# Altium PCB MOSAIC_RCB.PcbDoc (part 1 of 2)
Units mil, origin at the board's own origin, x right, y up, seen from the top; angles counter-clockwise.
Board outline 2644.72 x 1250.12 mil, 4 copper layers (Top Layer, Int1 (GND), Int2 (GND), Bottom Layer), stack 61.24 mil thick; 78 components, 55 nets, 485 pads, 481 vias.
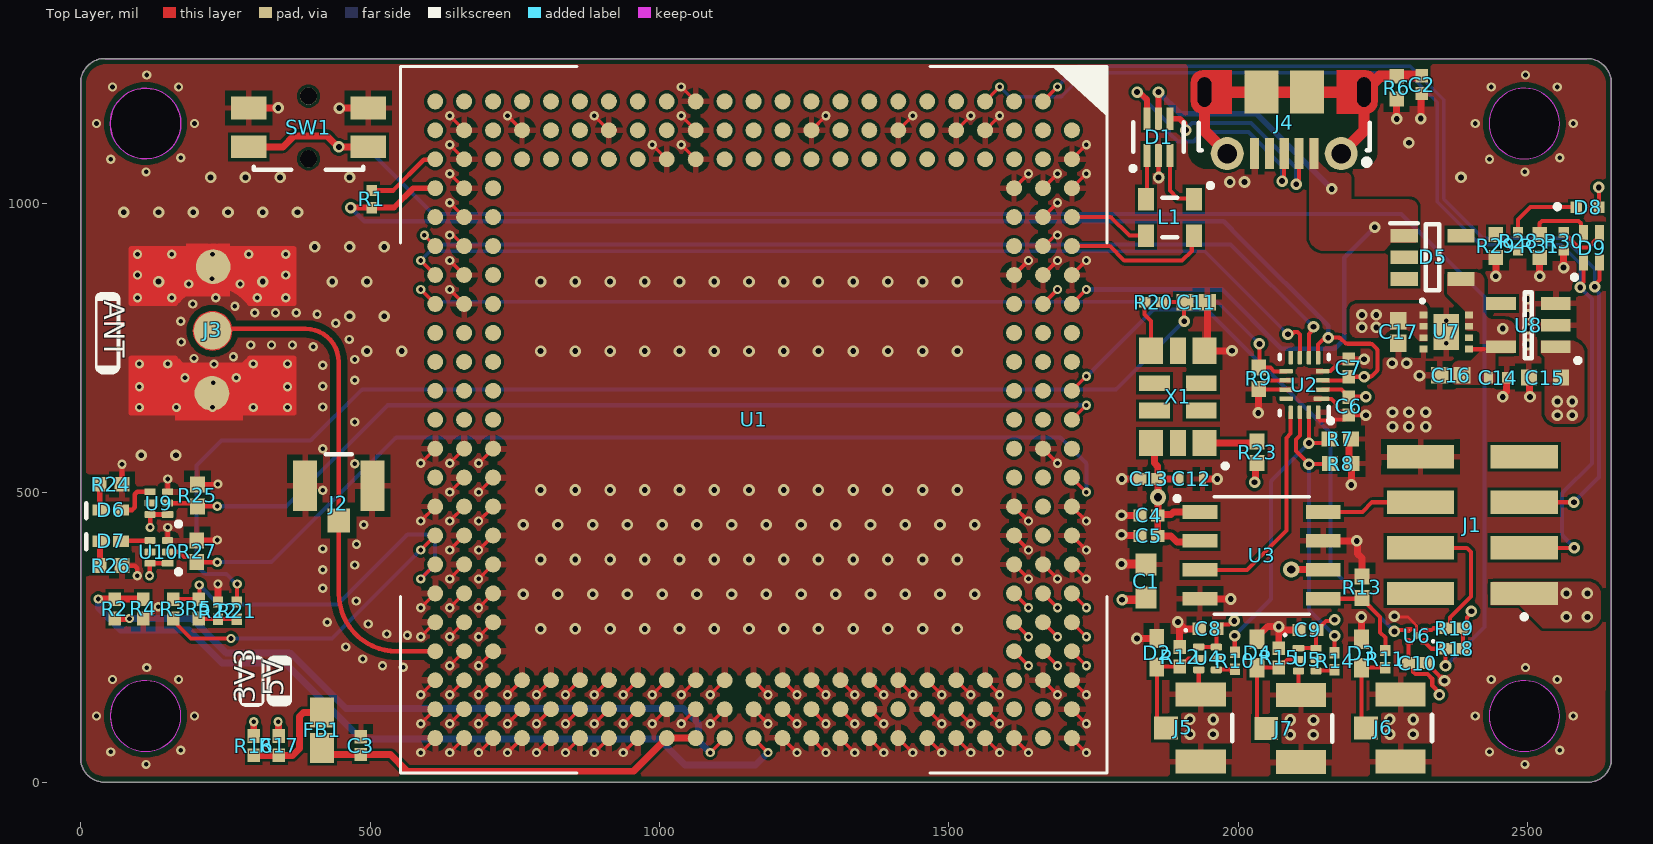
[diagram p0: Top Layer view]
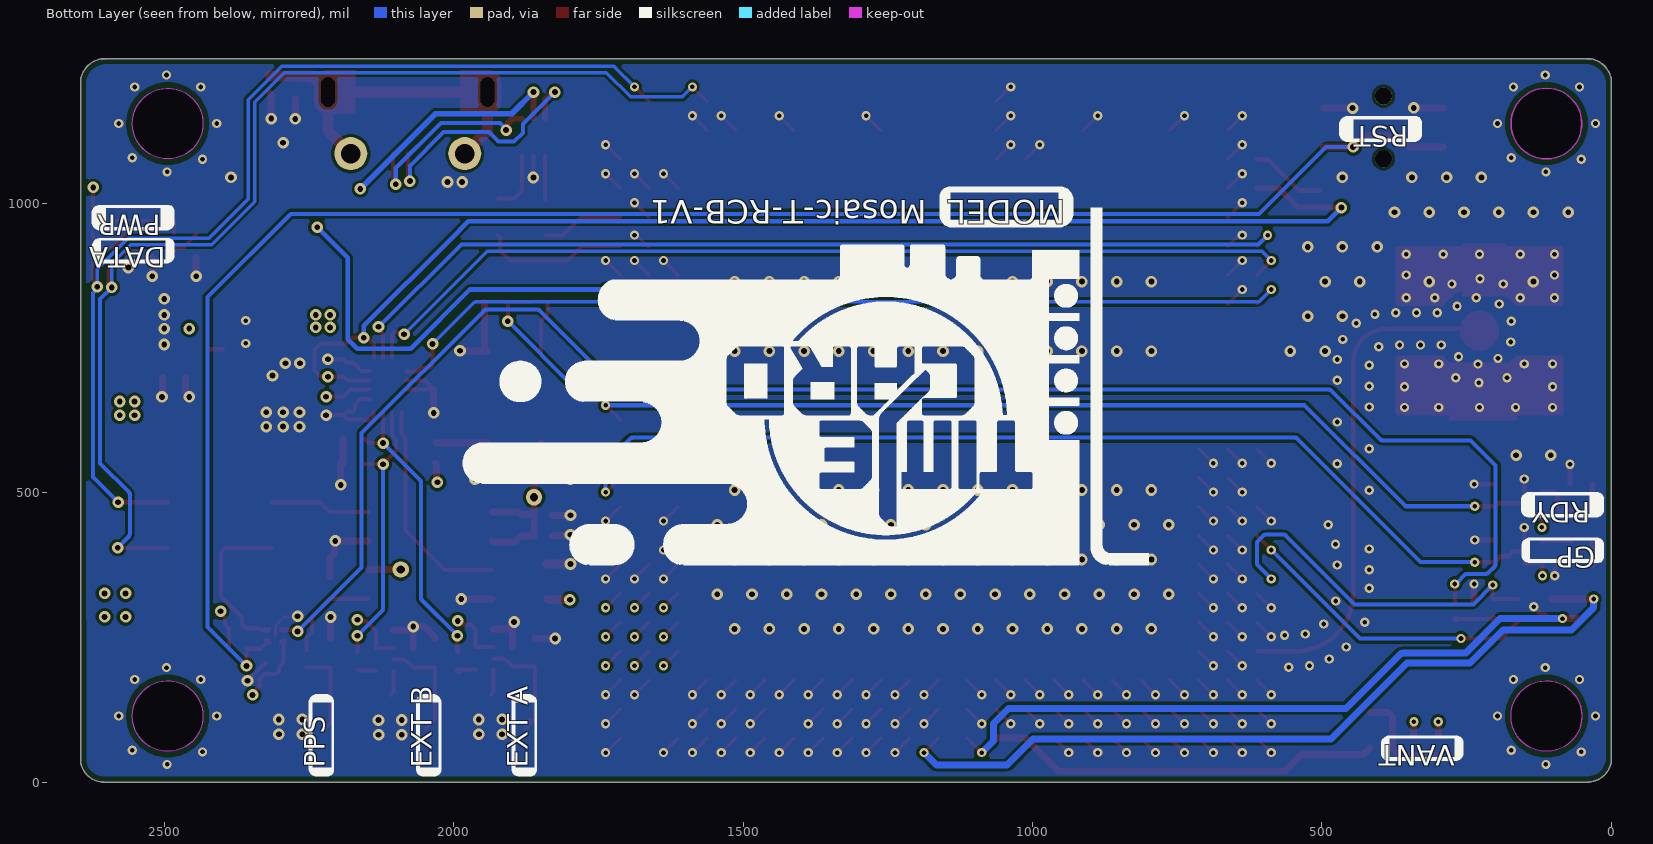
[diagram p1: Bottom Layer view, seen from below]
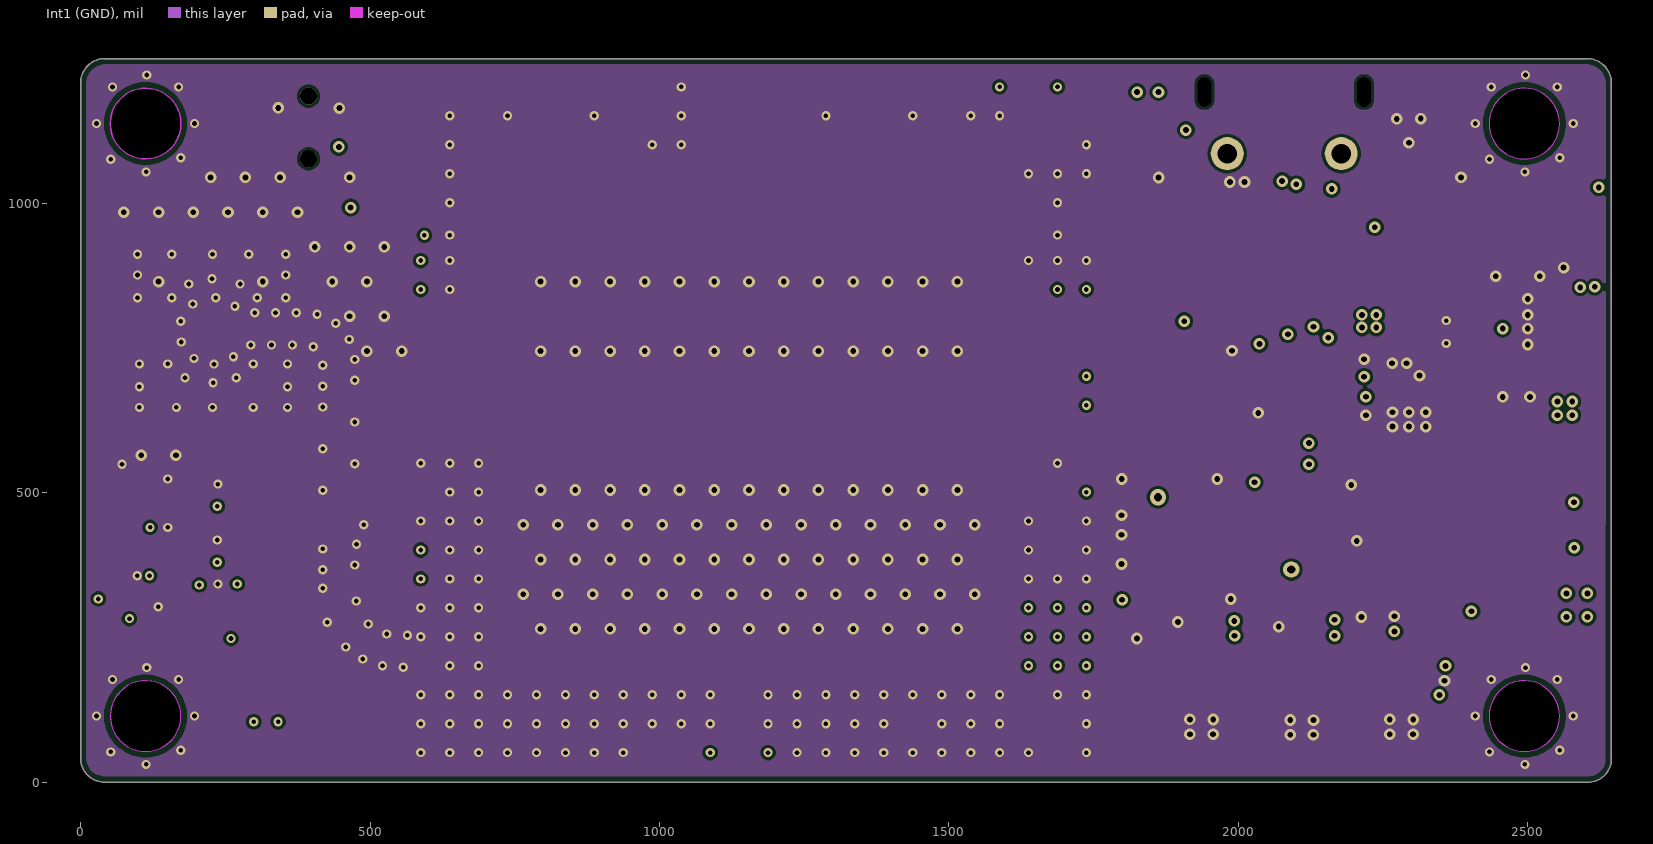
[diagram p2: Int1 (GND)]
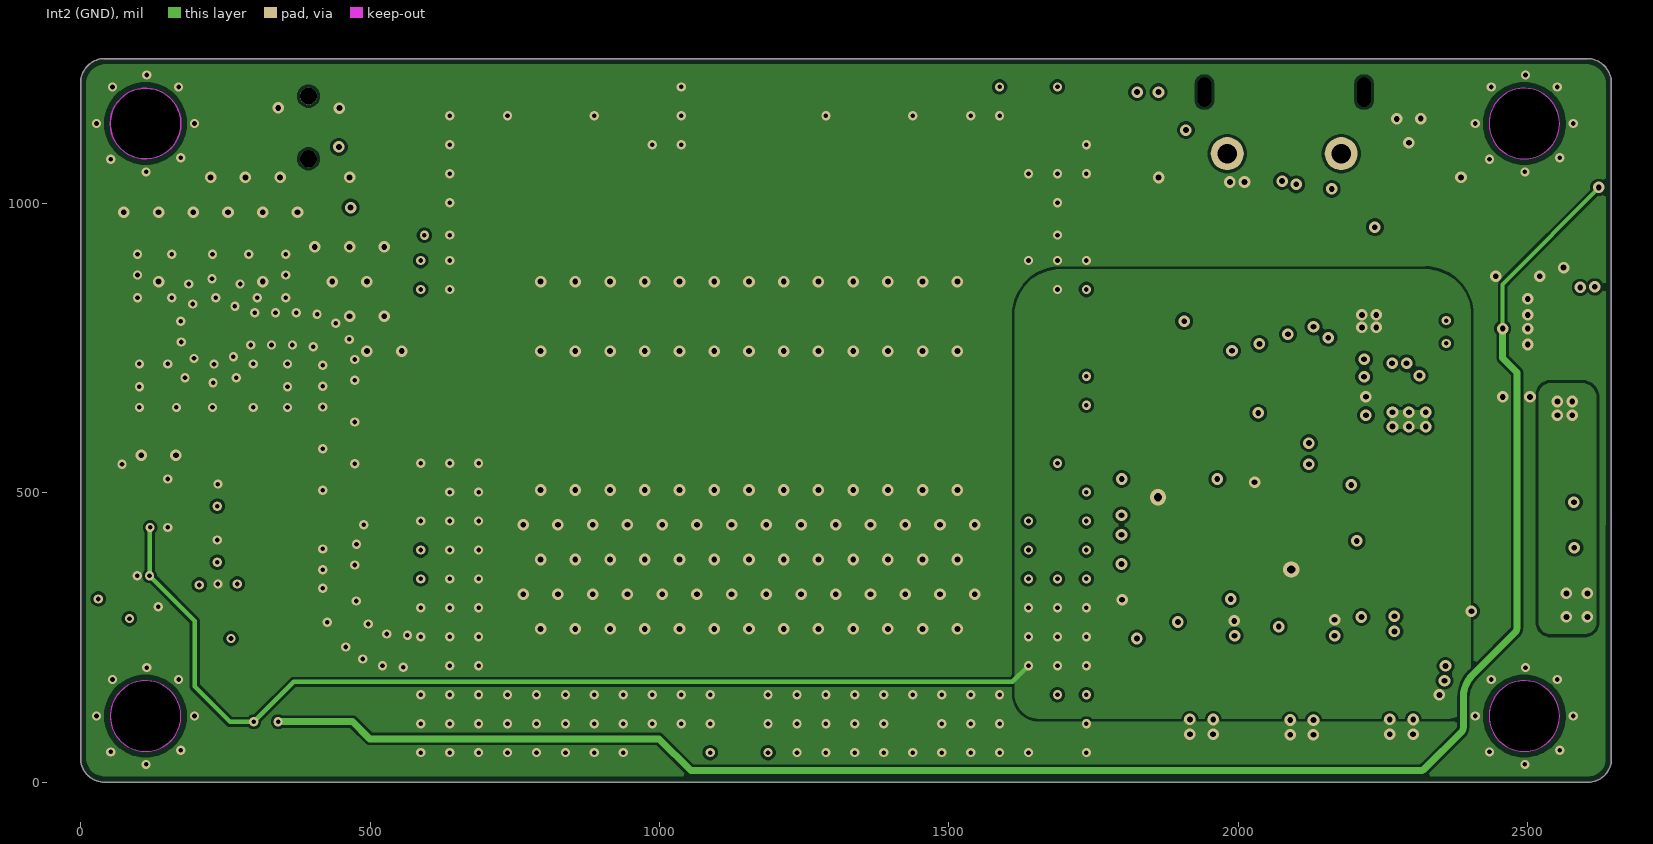
[diagram p3: Int2 (GND)]

## Layer stack, top to bottom
Top Solder: solder mask 0.6, SM-001, Dk 3.9
Top Layer: signal copper 1.8
Dielectric 2: prepreg 4.12, PP-021, Dk 3.7
Int1 (GND): signal copper 1.2
Dielectric 3: core 47, Core-039, Dk 4.04
Int2 (GND): signal copper 1.2
Dielectric 4: prepreg 4.12, PP-021, Dk 3.7
Bottom Layer: signal copper 1.8
Bottom Solder: solder mask 0.6, SM-001, Dk 3.9

## Board outline
0,41.14 ccw(c41.14,41.14) 41.14,0 2604.45,-0.16 ccw(c2604.41,39.96) 2644.53,39.96 2644.65,1207.48 ccw(c2602.13,1207.44) 2602.13,1249.96 42.05,1249.88 ccw(c42.09,1207.72) -0.08,1207.72
cut-out: 112.24,1076.61 cw(c112.24,1137.64) 51.22,1137.64 cw(c112.24,1137.64) 112.24,1198.66 cw(c112.24,1137.64) 173.27,1137.64 cw(c112.24,1137.64)
cut-out: 2433.11,1137.64 ccw(c2494.13,1137.64) 2494.13,1076.61 ccw(c2494.13,1137.64) 2555.16,1137.64 ccw(c2494.13,1137.64) 2494.13,1198.66 ccw(c2494.13,1137.64)
cut-out: 2433.11,114.02 ccw(c2494.13,114.02) 2494.13,52.99 ccw(c2494.13,114.02) 2555.16,114.02 ccw(c2494.13,114.02) 2494.13,175.04 ccw(c2494.13,114.02)
cut-out: 51.22,114.02 ccw(c112.24,114.02) 112.24,52.99 ccw(c112.24,114.02) 173.27,114.02 ccw(c112.24,114.02) 112.24,175.04 ccw(c112.24,114.02)

## Design rules (kind name [scope] priority, off if disabled: settings)
BoardOutlineClearance [All] p1: gap=10 ignorepadtopadclearanceinfootprint=FALSE except(0: Arc-SplitContinuation Track-SplitContinuation SMDPad-SplitContinuation THPad-SplitContinuation Via-SplitContinuation Fill-SplitContinuation Poly-SplitContinuation Region-SplitContinuation Text-SplitContinuation)
Clearance Clearance_RF [InNetClass('RF') vs InPolygon] p1: gap=11 ignorepadtopadclearanceinfootprint=FALSE
Clearance "Stitching GND" [IsStitchingVia and InNet('GND') vs (IsVia and (Not IsStitchingVia)) Or IsPad] p2: gap=5 ignorepadtopadclearanceinfootprint=FALSE
Clearance [All] p3: gap=5 ignorepadtopadclearanceinfootprint=FALSE
HoleSize [All] p1: absolutevalues=TRUE maxlimit=250 minlimit=8 maxpercent=80.000 minpercent=20.000
HoleToHoleClearance [All] p1: gap=6 allowstackedmicrovias=TRUE
MinimumSolderMaskSliver [All] p1: minsoldermaskwidth=6
PolygonConnect "RF_ANT Shielding Via" [IsShieldingVia and InNet('GND')] p1: connectstyle=Direct reliefconductorwidth=10 reliefentries=4 polygonreliefangle="90 Angle" airgapwidth=10
PolygonConnect "Via stiching" [IsStitchingVia and InNet('GND')] p2: connectstyle=Direct reliefconductorwidth=10 reliefentries=4 polygonreliefangle="90 Angle" airgapwidth=10
PolygonConnect [All vs InNet('GND')] p3: thpad.connectstyle=Direct thpad.reliefconductorwidth=10 thpad.reliefentries=4 thpad.polygonreliefangle="90 Angle" thpad.airgapwidth=10 smdpad.connectstyle=Relief smdpad.reliefconductorwidth=10 smdpad.reliefentries=4 smdpad.polygonreliefangle="90 Angle" smdpad.airgapwidth=10 via.connectstyle=Direct via.reliefconductorwidth=10 via.reliefentries=4 via.polygonreliefangle="90 Angle" via.airgapwidth=10
PolygonConnect PolygonConnect_Pours [All vs Not InNet('GND')] p4: connectstyle=Direct reliefconductorwidth=10 reliefentries=4 polygonreliefangle="90 Angle" airgapwidth=10
RoutingVias [All] p1: holewidth=8 width=16 viastyle="Through Hole" minholewidth=8 minwidth=16 maxholewidth=28 maxwidth=50
SilkToSolderMaskClearance [IsPad] p1: minsilkscreentomaskgap=6 clearancetoexposedcopper=TRUE
SolderMaskExpansion [IsVia] p1: expansion=2 istentingtop=TRUE
Width [All] p1: maxlimit=20 minlimit=5 preferedwidth=6
26 further rules are at their usual default settings.

## Classes and differential pairs
component class POWER: C14 C15 C16 C17 D5 D8 R28 R29 U7 U8
component class GNSS_SUPPORT: C10 C11 C12 C13 D6 D7 D9 R18 R19 R20 R21 R22 R23 R24 R25 R26 R27 R30 R31 SW1 U6 U9 U10 X1
net class RF: GNSS_ANT
component class REF_TIMING: C4 C5 C6 C7 C8 C9 D2 D3 D4 J5 J6 J7 R7 R8 R9 R10 R11 R12 R13 R14 R15 U2 U3 U4 U5
component class CONNECTORS: C2 D1 J1 J4 L1 R6
component class GNSS_A: C1 C3 FB1 J2 J3 R1 R2 R3 R4 R5 R16 R17 U1

## Components (designator, comment, footprint, x,y, rotation, side; value= is the part's Value field where it differs from the comment)
C1 "22uF" FP-CL10-IPC_B 1840.55,347.36 r90 top
C2 "0.1uF" CAPC1005X56X25LL10T15 2316.93,1204.72 r90 top
C3 "0.1uF" CAPC1005X56X25LL10T15 484.25,62.99 r270 top
C4 "0.1uF" CAPC1005X56X25LL10T15 1845.47,460.63 r180 top
C5 "0.1uF" CAPC1005X56X25LL10T15 1845.47,425.2 r180 top
C6 "0.1uF" CAPC1005X56X25LL10T15 2190.94,649.61 r90 top
C7 "0.1uF" CAPC1005X56X25LL10T15 2190.94,715.55 r270 top
C8 "0.1uF" CAPC1005X56X25LL10T15 1947.83,264.76 r0 top
C9 "0.1uF" CAPC1005X56X25LL10T15 2120.08,262.8 r0 top
C10 "0.1uF" CAPC1005X56X25LL10T15 2309.45,205.71 r180 top
C11 "33pF" CAPC1005X55X25ML05T10 1927.17,828.74 r180 top
C12 "10uF" CAPC1005X70X10LL05 1918.35,523.62 r180 top
C13 "0.1uF" CAPC1005X56X25LL10T15 1845.47,523.62 r0 top
C14 "4.7uF" FP-C1005-050-0_15-MFG 2447.83,698.82 r0 top
C15 "10uF" FP-0603-L_1_6_0_2-W_0_8_0-MFG 2529.53,698.82 r180 top
C16 "1uF" CAPC1005X55X25ML05T10 2367.13,702.76 r0 top
C17 "1uF" CAPC1005X55X25ML05T10 2276.57,777.56 r90 top
D1 "USBLC6-2P6" FP-SOT-666-MFG 1862.2,1114.17 r90 top
D2 "PESD0402-140" FP-PESD0402-MFG 1859.25,223.43 r270 top value=0.25pF
D3 "PESD0402-140" FP-PESD0402-MFG 2212.6,222.44 r270 top value=0.25pF
D4 "PESD0402-140" FP-PESD0402-MFG 2032.48,222.44 r270 top value=0.25pF
D5 "RB496EATR" SOT95P280X100-5N 2335.63,906.5 r0 top
D6 "APHHS1005CGCK" FP-APHHS1005CGCK-MFG 51.77,470.09 r0 top
D7 "APHHS1005CGCK" FP-APHHS1005CGCK-MFG 52.06,416.34 r0 top
D8 "QBLP595-IB" FP-QBLP595-IB-MFG 2603.35,993.11 r0 top
D9 "HSMF-C165" FP-HSMF-C165-MFG 2610.24,923.23 r90 top
FB1 "BLM18AG221SN1D" FP-BLM18-0_15-t0_8-IPC_A 417.32,89.57 r270 top
J1 "NRPN042MAMS-RC" NRPN042MAMS-RC 2493.9,325.98 r180 top
J2 "U.FL-R-SMT-1(10)" FP-U_FL-R-SMT-1_10-MFG 446,512 r180 top
J3 "SMB_131-3711-301" SMB_131-3711-301 227.95,779.53 r270 top
J4 "105017-0001" USB-MICRO-B_V 2079.37,1138.85 r180 top
J5 "U.FL-R-SMT-1(10)" FP-U_FL-R-SMT-1_10-MFG 1935.04,93.5 r90 top
J6 "U.FL-R-SMT-1(10)" FP-U_FL-R-SMT-1_10-MFG 2280.51,93.5 r90 top
J7 "U.FL-R-SMT-1(10)" FP-U_FL-R-SMT-1_10-MFG 2108.27,92.52 r90 top
L1 "DLP31SN121ML2L" FP-DLP31SN-MFG 1881.89,975.39 r270 top
R1 "10K" RESC1005X40X25LL05T10 502.95,1007.28 r270 top
R2 "DNP" RESC1005X40X25NL05T10 59.06,299.21 r90 top
R3 "DNP" RESC1005X40X25NL05T10 160.43,299.21 r90 top
R4 "0R" RESC1005X40X25NL05T10 108.27,299.21 r270 top
R5 "0R" RESC1005X40X25NL05T10 203.74,299.21 r270 top
R6 "330R" RESC1005X40X25ML05T05 2273.62,1199.8 r90 top
R7 "10K" RESC1005X40X25ML05T10 2176.18,592.52 r180 top
R8 "10K" RESC1005X40X25ML05T10 2177.17,550.2 r180 top
R9 "10K" RESC1005X40X25ML05T10 2035.43,697.83 r90 top
R10 "33R" RESC1005X40X25LL05T10 1994.09,209.65 r90 top
R11 "33R" RESC1005X40X25LL05T10 2253.94,212.6 r90 top
R12 "100K" RESC1005X40X25NL05T10 1898.62,216.54 r270 top
R13 "10K" RESC1005X40X25ML05T10 2213.58,336.61 r270 top
R14 "33R" RESC1005X40X25LL05T10 2166.34,208.66 r90 top
R15 "100K" RESC1005X40X25NL05T10 2069.88,214.57 r270 top
R16 "DNP" RESC1005X40X25NL05T10 299.21,62.99 r270 top
R17 "0R" RESC1005X40X25NL05T10 342.52,62.99 r270 top
R18 "68K" RESC1005X40X25LL10T10 2373.03,230.32 r0 top
R19 "68K" RESC1005X40X25LL10T10 2373.03,265.75 r0 top
R20 "33R" RESC1005X40X25LL05T10 1853.03,829.15 r0 top
R21 "1K" RESC1005X40X25LL05T10 269.68,296.26 r270 top
R22 "1K" RESC1005X40X25LL05T10 237.2,296.26 r270 top
R23 "10K" RESC1005X40X25ML05T10 2032.48,569.88 r270 top
R24 "60.4R" RESC1005X40X25ML05T05 51.77,514.38 r180 top
R25 "10K" RESC1005X40X25ML05T10 201.75,495.14 r270 top
R26 "60.4R" RESC1005X40X25ML05T05 52.06,374.02 r180 top
R27 "10K" RESC1005X40X25ML05T10 200.79,398.62 r270 top
R28 "100R" RESC1005X40X25LL05T05 2483.27,934.06 r90 top
R29 "60.4R" RESC1005X40X25ML05T05 2444.88,926.18 r270 top
R30 "100R" RESC1005X40X25LL05T05 2562.07,933.98 r90 top
R31 "60.4R" RESC1005X40X25ML05T05 2520.67,926.18 r270 top
SW1 "EVQ-PUC02K" FP-EVQ-PUC02K-MFG 393.7,1130.91 r180 top
U1 "410322" LGA239C127P23X23_3100X3100X417N 1162.6,625.98 r0 top
U2 "SN74AVC4T245RSVR" RSV0016A_V 2114.17,686.02 r180 top
U3 "NB3M8302CDG" SOIC8_ONS 2040.35,391.73 r0 top
U4 "SN74LVC1G126DRYR" DRY0006A_V 1946.85,213.58 r0 top
U5 "SN74LVC1G126DRYR" DRY0006A_V 2119.09,211.61 r0 top
U6 "74AUP1T08GXH" X2SON5_SOT1226_NEX 2308.07,252.95 r180 top
U7 "ADP124ACPZ-3.3-R7" ADI-CP-8-8_V 2359.25,777.56 r0 top
U8 "LTC4411ES5#TRMPBF" LT-S5-5-TSOT-23_N 2500.98,789.37 r180 top
U9 "SN74LVC1G126DRYR" DRY0006A_V 135.24,481.9 r180 top
U10 "SN74LVC1G126DRYR" DRY0006A_V 135.24,397.64 r180 top
X1 "SIT5358" SIT5358 1895.67,665.35 r90 top

## Footprints (in the part's own frame and the unit in brackets; to place one, negate y for a bottom-side part, rotate by r counter-clockwise, add the part's x,y. Pads: shape width x height; smd on the part's side, far side on the other; paste and mask are expansions set on the pad)
ADI-CP-8-8_V [mm] "SON, 8-Leads, Body 2x2mm, Pitch 0.5mm, Thermal Pad 1.6x1mm"
  rect 0.35x0.3 smd: 1(-1,0.75) 2(-1,0.25) 3(-1,-0.25) 4(-1,-0.75) 5(1,-0.75) 6(1,-0.25) 7(1,0.25) 8(1,0.75)
  rect 1.1x1.6 smd: 9(0,0)
  silkscreen extent -1.08,1.33 -1.02,1.39, body extent -1,-1 1,1, height 0.65
CAPC1005X55X25ML05T10 [mm] "Chip Capacitor, 2-Leads, Body 1.00x0.50mm, IPC Low Density"
  rect 0.76x0.72 smd: 1(-0.49,0) 2(0.49,0)
  body extent -0.53,-0.28 0.53,0.27, height 0.55
CAPC1005X56X25LL10T15 [mm] "Chip Capacitor, 2-Leads, Body 1.00x0.50mm, IPC High Density"
  rect 0.58x0.54 smd: 1(-0.39,0) 2(0.39,0)
  body extent -0.55,-0.3 0.55,0.3, height 0.56
CAPC1005X70X10LL05 [mm] "Chip Capacitor, 2-Leads, Body 1.05x0.55mm, IPC High Density"
  rect 0.32x0.52 smd: 1(-0.5,0) 2(0.5,0)
  body extent -0.53,-0.28 0.53,0.28, height 0.7
DRY0006A_V [mm] "SON, 6-Leads, Body 1.45x1mm, Pitch 0.5mm"
  rrect33% 0.52x0.3 smd paste+0 mask+0.102: 1(-0.385,0.5)
  rrect33% 0.49x0.3 smd paste+0 mask+0.102: 2(-0.385,0) 3(-0.385,-0.5) 4(0.385,-0.5) 5(0.385,0) 6(0.385,0.5)
  silkscreen extent -1,1.19 -0.9,1.28, body extent -0.5,-0.72 0.5,0.72, height 0.6
FP-0603-L_1_6_0_2-W_0_8_0-MFG [mm]
  rect 0.7x0.7 smd paste+0 mask+0: 1(-0.7,0) 2(0.7,0)
  body extent -1.15,-0.6 1.15,0.6, height 0.25
FP-APHHS1005CGCK-MFG [mm]
  rect 0.7x0.5 smd paste+0 mask+0: 1(-0.45,0) 2(0.45,0)
  body extent -0.9,-0.4 0.9,0.4, height 0.25
FP-BLM18-0_15-t0_8-IPC_A [mil]
  rect 51.42x41.66 smd paste+0 mask+0: 1(-30.55,0) 2(30.55,0)
  body extent -76,-41 76,41, height 10
FP-C1005-050-0_15-MFG [mm]
  rect 0.4x0.5 smd paste+0 mask+0: 1(-0.4,0) 2(0.4,0)
  body extent -0.7,-0.43 0.7,0.43, height 0.25
FP-CL10-IPC_B [mil]
  rect 37.72x35.91 smd paste+0 mask+0: 1(-28.62,0) 2(28.62,0)
  body extent -57,-28 57,28, height 10
FP-DLP31SN-MFG [mm]
  rect 1x0.7 smd paste+0 mask+0: 1(-0.8,1.05) 2(0.8,1.05) 3(0.8,-1.05) 4(-0.8,-1.05)
  silkscreen extent -1.48,-0.33 0.87,1.85, body extent -1.4,-1.78 1.4,1.78, height 0.25
FP-EVQ-PUC02K-MFG [mm]
  rect 1.55x1 smd paste+0 mask+0: 1(2.625,0.85) 2(2.625,-0.85) 3(-2.625,0.85) 4(-2.625,-0.85)
  round 0.75 hole 0.75 unplated paste-1000 mask+0: ""(0,1.375) ""(0,-1.375)
  silkscreen extent -2.4,1.73 2.4,1.85, body extent -3.5,-2.95 3.5,1.95, height 0.25
FP-HSMF-C165-MFG [mm]
  rect 0.7x0.4 smd paste+0 mask+0: 1(-0.65,0.35) 2(-0.65,-0.35) 3(0.65,0.35) 4(0.65,-0.35)
  silkscreen extent -1.38,0.67 -1.22,0.83, body extent -1.1,-0.65 1.1,0.65, height 0.25
FP-PESD0402-MFG [mm]
  rect 0.85x0.65 smd paste+0 mask+0: 1(-0.625,0) 2(0.625,0)
  body extent -1.15,-0.43 1.15,0.43, height 0.25
FP-QBLP595-IB-MFG [mm]
  rect 0.5x0.5 smd paste+0 mask+0: 1(-0.5,0) 2(0.5,0)
  silkscreen extent -1.4,-0.05 -1.25,0.1, body extent -0.85,-0.4 0.85,0.4, height 0.25
FP-SOT-666-MFG [mm]
  rect 0.99x0.3 smd paste+0 mask+0: 1(-0.805,0.5) 2(-0.805,0) 3(-0.805,-0.5) 4(0.805,-0.5) 5(0.805,0) 6(0.805,0.5)
  silkscreen extent -1.45,-1.1 0.65,1.2, body extent -1.4,-0.95 1.4,0.95, height 0.25
FP-U_FL-R-SMT-1_10-MFG [mm]
  rect 1x1.05 smd paste-1000 mask+0: 1(0,1.525)
  rect 1.05x2.2 smd paste-1000 mask+0: 2(-1.475,0) 3(1.475,0)
  silkscreen extent -0.58,-1.38 0.58,-1.38, body extent -2.1,-1.48 2.1,2.15, height 0.25
LGA239C127P23X23_3100X3100X417N [mm]
  round 0.7 smd: A2(13.97,12.7) A3(13.97,11.43) A4(13.97,10.16) A5(13.97,8.89) A6(13.97,7.62) A7(13.97,6.35) A8(13.97,5.08) A9(13.97,3.81) A10(13.97,2.54) A11(13.97,1.27) A12(13.97,0) A13(13.97,-1.27) A14(13.97,-2.54) A15(13.97,-3.81) A16(13.97,-5.08) A17(13.97,-6.35) A18(13.97,-7.62) A19(13.97,-8.89) A20(13.97,-10.16) A21(13.97,-11.43) A22(13.97,-12.7) A23(13.97,-13.97) AA1(-11.43,13.97) AA2(-11.43,12.7) AA3(-11.43,11.43) AA4(-11.43,10.16) AA5(-11.43,8.89) AA6(-11.43,7.62) AA7(-11.43,6.35) AA8(-11.43,5.08) AA9(-11.43,3.81) AA10(-11.43,2.54) AA11(-11.43,1.27) AA12(-11.43,0) AA13(-11.43,-1.27) AA14(-11.43,-2.54) AA15(-11.43,-3.81) AA16(-11.43,-5.08) AA17(-11.43,-6.35) AA18(-11.43,-7.62) AA19(-11.43,-8.89) AA20(-11.43,-10.16) AA21(-11.43,-11.43) AA22(-11.43,-12.7) AA23(-11.43,-13.97) AB1(-12.7,13.97) AB2(-12.7,12.7) AB3(-12.7,11.43) AB4(-12.7,10.16) AB5(-12.7,8.89) AB6(-12.7,7.62) AB7(-12.7,6.35) AB8(-12.7,5.08) AB9(-12.7,3.81) AB10(-12.7,2.54) AB11(-12.7,1.27) AB12(-12.7,0) AB13(-12.7,-1.27) AB14(-12.7,-2.54) AB15(-12.7,-3.81) AB16(-12.7,-5.08) AB17(-12.7,-6.35) AB18(-12.7,-7.62) AB19(-12.7,-8.89) AB20(-12.7,-10.16) AB21(-12.7,-11.43) AB22(-12.7,-12.7) AB23(-12.7,-13.97) AC1(-13.97,13.97) AC2(-13.97,12.7) AC3(-13.97,11.43) AC4(-13.97,10.16) AC5(-13.97,8.89) AC6(-13.97,7.62) AC7(-13.97,6.35) AC8(-13.97,5.08) AC9(-13.97,3.81) AC10(-13.97,2.54) AC11(-13.97,1.27) AC12(-13.97,0) AC13(-13.97,-1.27) AC14(-13.97,-2.54) AC15(-13.97,-3.81) AC16(-13.97,-5.08) AC17(-13.97,-6.35) AC18(-13.97,-7.62) AC19(-13.97,-8.89) AC20(-13.97,-10.16) AC21(-13.97,-11.43) AC22(-13.97,-12.7) AC23(-13.97,-13.97) B1(12.7,13.97) B2(12.7,12.7) B3(12.7,11.43) B4(12.7,10.16) B5(12.7,8.89) B6(12.7,7.62) B7(12.7,6.35) B8(12.7,5.08) B9(12.7,3.81) B10(12.7,2.54) B11(12.7,1.27) B12(12.7,0) B13(12.7,-1.27) B14(12.7,-2.54) B15(12.7,-3.81) B16(12.7,-5.08) B17(12.7,-6.35) B18(12.7,-7.62) B19(12.7,-8.89) B20(12.7,-10.16) B21(12.7,-11.43) B22(12.7,-12.7) B23(12.7,-13.97) C1(11.43,13.97) C2(11.43,12.7) C3(11.43,11.43) C4(11.43,10.16) C5(11.43,8.89) C6(11.43,7.62) C7(11.43,6.35) C8(11.43,5.08) C9(11.43,3.81) C10(11.43,2.54) C11(11.43,1.27) C12(11.43,0) C13(11.43,-1.27) C14(11.43,-2.54) C15(11.43,-3.81) C16(11.43,-5.08) C17(11.43,-6.35) C18(11.43,-7.62) C19(11.43,-8.89) C20(11.43,-10.16) C21(11.43,-11.43) C22(11.43,-12.7) C23(11.43,-13.97) D1(10.16,13.97) D2(10.16,12.7) D3(10.16,11.43) D21(10.16,-11.43) D22(10.16,-12.7) D23(10.16,-13.97) E1(8.89,13.97) E2(8.89,12.7) E3(8.89,11.43) E21(8.89,-11.43) E22(8.89,-12.7) E23(8.89,-13.97) F1(7.62,13.97) F2(7.62,12.7) F3(7.62,11.43) F21(7.62,-11.43) F22(7.62,-12.7) F23(7.62,-13.97) G1(6.35,13.97) G2(6.35,12.7) G3(6.35,11.43) G21(6.35,-11.43) G22(6.35,-12.7) G23(6.35,-13.97) H1(5.08,13.97) H2(5.08,12.7) H3(5.08,11.43) H21(5.08,-11.43) H22(5.08,-12.7) H23(5.08,-13.97) J1(3.81,13.97) J2(3.81,12.7) J3(3.81,11.43) J21(3.81,-11.43) J22(3.81,-12.7) J23(3.81,-13.97) K1(2.54,13.97) K2(2.54,12.7) K3(2.54,11.43) K21(2.54,-11.43) K22(2.54,-12.7) K23(2.54,-13.97) L1(1.27,13.97) L2(1.27,12.7) L3(1.27,11.43) L21(1.27,-11.43) L22(1.27,-12.7) L23(1.27,-13.97) M1(0,13.97) M2(0,12.7) M3(0,11.43) M21(0,-11.43) M22(0,-12.7) M23(0,-13.97) N1(-1.27,13.97) N2(-1.27,12.7) N3(-1.27,11.43) N21(-1.27,-11.43) N22(-1.27,-12.7) N23(-1.27,-13.97) P1(-2.54,13.97) P2(-2.54,12.7) P3(-2.54,11.43) P21(-2.54,-11.43) P22(-2.54,-12.7) P23(-2.54,-13.97) R1(-3.81,13.97) R2(-3.81,12.7) R3(-3.81,11.43) R21(-3.81,-11.43) R22(-3.81,-12.7) R23(-3.81,-13.97) T1(-5.08,13.97) T2(-5.08,12.7) T3(-5.08,11.43) T21(-5.08,-11.43) T22(-5.08,-12.7) T23(-5.08,-13.97) U1(-6.35,13.97) U2(-6.35,12.7) U3(-6.35,11.43) U21(-6.35,-11.43) U22(-6.35,-12.7) U23(-6.35,-13.97) V1(-7.62,13.97) V2(-7.62,12.7) V3(-7.62,11.43) V21(-7.62,-11.43) V22(-7.62,-12.7) V23(-7.62,-13.97) W1(-8.89,13.97) W2(-8.89,12.7) W3(-8.89,11.43) W21(-8.89,-11.43) W22(-8.89,-12.7) W23(-8.89,-13.97) Y1(-10.16,13.97) Y2(-10.16,12.7) Y3(-10.16,11.43) Y21(-10.16,-11.43) Y22(-10.16,-12.7) Y23(-10.16,-13.97)
  silkscreen extent -15.5,-15.5 15.5,15.5, body extent -15.5,-15.5 15.5,15.5, height 4.17
LT-S5-5-TSOT-23_N [mm] "SOT23, 5-Leads, Body 2.90x1.63mm, Pitch 0.95mm, IPC Medium Density"
  rect 1.3x0.55 smd: 1(-1.2,0.95) 2(-1.2,0) 3(-1.2,-0.95) 4(1.2,-0.95) 5(1.2,0.95)
  silkscreen extent -2.25,-1.45 0.15,1.63, body extent -0.87,-1.45 0.87,1.45, height 1
NRPN042MAMS-RC [mm]
  rect 2.95x1.02 smd: 1(0,0) 2(4.55,0) 3(0,-2) 4(4.55,-2) 5(0,-4) 6(4.55,-4) 7(0,-6) 8(4.55,-6)
  silkscreen extent -0.08,0.95 0.08,1.11, body extent -1.02,-7.05 5.48,0.95, height 5.81
RESC1005X40X25LL05T05 [mm] "Chip Resistor, 2-Leads, Body 1.05x0.55mm, IPC High Density"
  rect 0.45x0.45 smd: 1(-0.4,0) 2(0.4,0)
  body extent -0.53,-0.28 0.53,0.28, height 0.4
RESC1005X40X25LL05T10 [mm] "Chip Resistor, 2-Leads, Body 1.00x0.50mm, IPC High Density"
  rect 0.5x0.45 smd: 1(-0.375,0) 2(0.375,0)
  body extent -0.53,-0.27 0.53,0.28, height 0.4
RESC1005X40X25LL10T10 [mm] "Chip Resistor, 2-Leads, Body 1.00x0.50mm, IPC High Density"
  rect 0.55x0.5 smd: 1(-0.375,0) 2(0.375,0)
  body extent -0.55,-0.3 0.55,0.3, height 0.4
RESC1005X40X25ML05T05 [mm] "Chip Resistor, 2-Leads, Body 1.00x0.50mm, IPC Low Density"
  rect 0.65x0.65 smd: 1(-0.5,0) 2(0.5,0)
  body extent -0.53,-0.27 0.53,0.28, height 0.4
RESC1005X40X25ML05T10 [mm] "Chip Resistor, 2-Leads, Body 1.00x0.50mm, IPC Low Density"
  rect 0.7x0.65 smd: 1(-0.475,0) 2(0.475,0)
  body extent -0.53,-0.27 0.53,0.28, height 0.4
RESC1005X40X25NL05T10 [mm] "Chip Resistor, 2-Leads, Body 1.00x0.50mm, IPC Medium Density"
  rect 0.6x0.55 smd: 1(-0.425,0) 2(0.425,0)
  body extent -0.53,-0.27 0.53,0.28, height 0.4
RSV0016A_V [mm] "QFN, 16-Leads, Body 1.8x2.6mm, Pitch 0.4mm, TI Recommended"
  rrect50% 0.7x0.2 smd: 1(-0.75,0.6)
  rrect50% 0.6x0.2 smd: 2(-0.8,0.2) 3(-0.8,-0.2) 4(-0.8,-0.6) 9(0.8,-0.6) 10(0.8,-0.2) 11(0.8,0.2) 12(0.8,0.6)
  rrect50% 0.2x0.6 smd: 5(-0.6,-1.2) 6(-0.2,-1.2) 7(0.2,-1.2) 8(0.6,-1.2) 13(0.6,1.2) 14(0.2,1.2) 15(-0.2,1.2) 16(-0.6,1.2)
  silkscreen extent -1.08,-1.33 1.08,1.45, body extent -0.92,-1.32 0.92,1.33, height 0.56
SIT5358 [mm]
  rect 1.15x1.05 smd: 1(-2.025,-1.175) 4(2.025,-1.175) 6(2.025,1.175) 9(-2.025,1.175)
  rect 0.7x1.35 smd: 2(-0.6,-1.025) 3(0.6,-1.025) 7(0.6,1.025) 8(-0.6,1.025)
  rect 1.15x0.7 smd: 5(2.025,0) 10(-2.025,0)
  silkscreen extent -3.1,-2.15 -2.95,-2, body extent -2.5,-1.6 2.5,1.6, height 0.99
SMB_131-3711-301 [mil]
  round 65 smd mask+0: 1(0,0)
  round 60 smd mask+0: 2(-111,1) 3(108,-1)
  Top Layer region: 0,-34 -13.01,-31.41 -24.04,-24.04 -31.41,-13.01 -34,0 -34,0 -31.41,13.01 -24.04,24.04 -13.01,31.41 0,34 0,34 13.01,31.41 24.04,24.04 31.41,13.01 34,0 34,0 31.41,-13.01 24.04,-24.04 13.01,-31.41 0,-34
  Top Layer region: 146.02,140 146.02,-140 145.63,-141.92 144.55,-143.55 142.92,-144.63 141,-145.02 141,-145.01 48,-145.01 46.08,-144.63 44.45,-143.55 43.37,-141.92 42.98,-140 42.99,-140 42.99,-65 43.5,-62.79 44.93,-61.04 46.98,-60.09 46.98,-60.09 48.52,-57.82 68.41,-31.9 75.48,0 68.41,31.9 48.52,57.82 48.52,57.82 46.98,60.09 44.93,61.04 43.5,62.79 42.98,65 42.99,65 42.99,140 43.37,141.92 44.45,143.55 46.08,144.63 48,145.02 48,145.02 140,145.02 140.5,144.99 142.57,144.76 144.36,143.72 145.58,142.03 146.02,140